# Altium PCB PCB_REV3.PcbDoc (part 1 of 2)
Units mm, origin at the board's own origin, x right, y up, seen from the top; angles counter-clockwise.
Board outline 75 x 115 mm, 2 copper layers (Top Layer, Bottom Layer); 203 components, 157 nets, 566 pads, 115 vias.
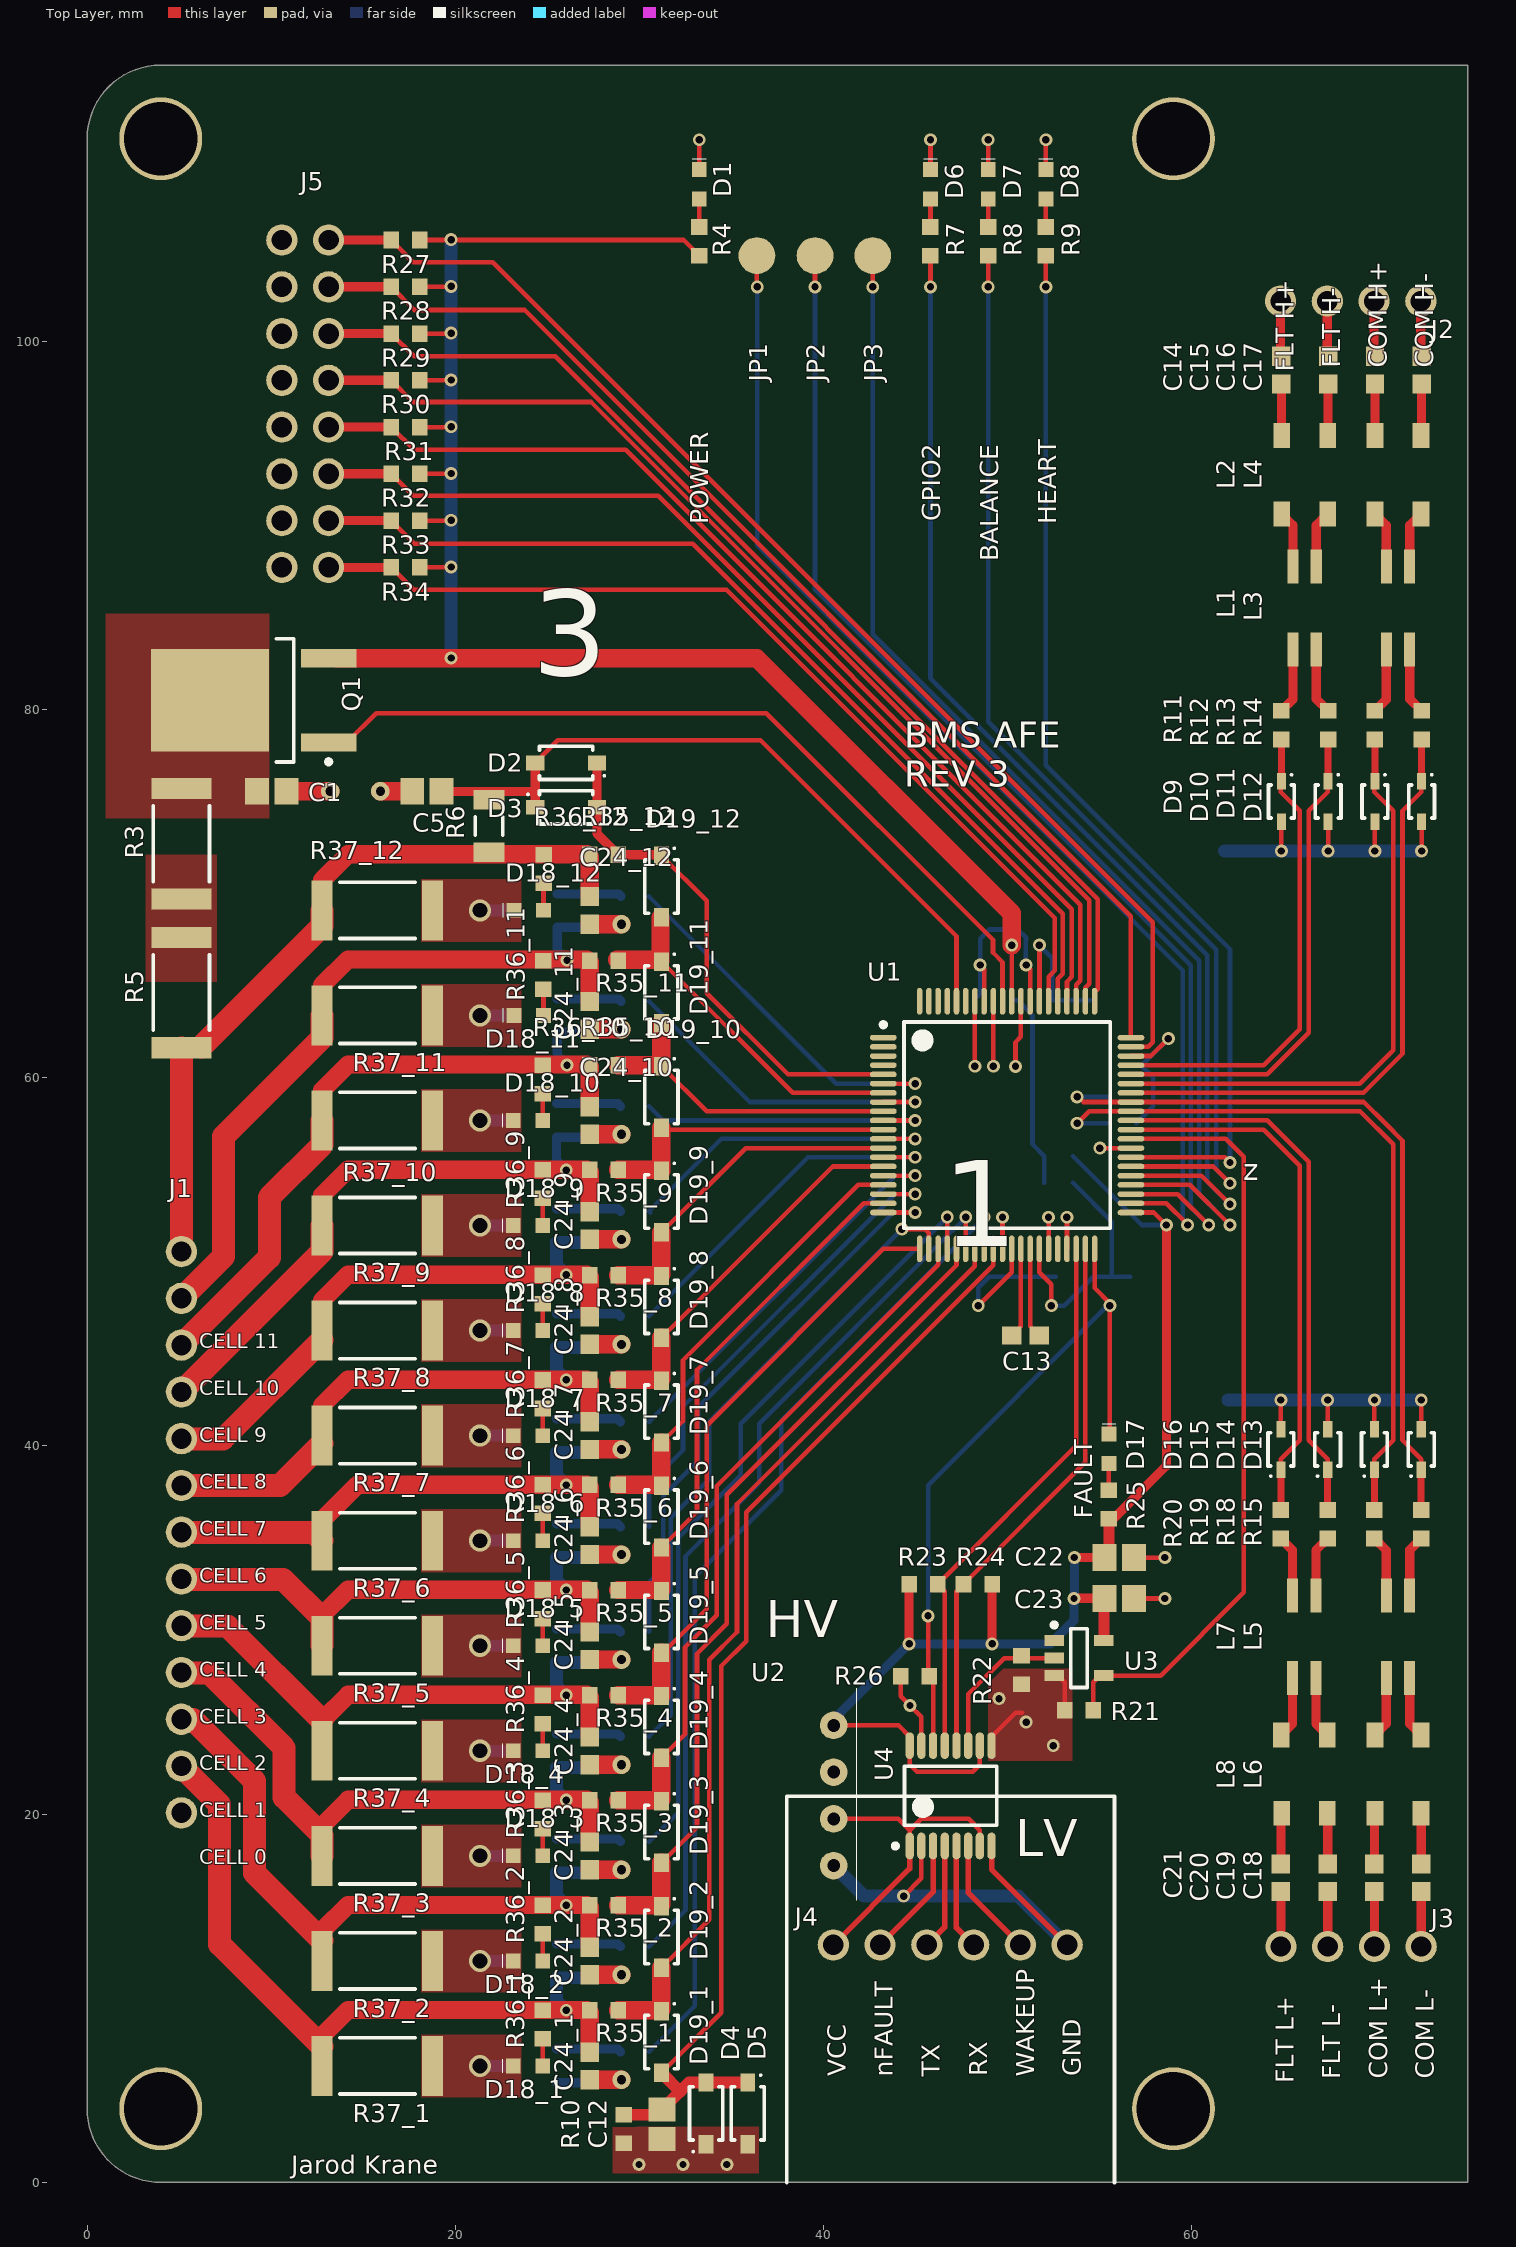
[diagram p0: Top Layer view]
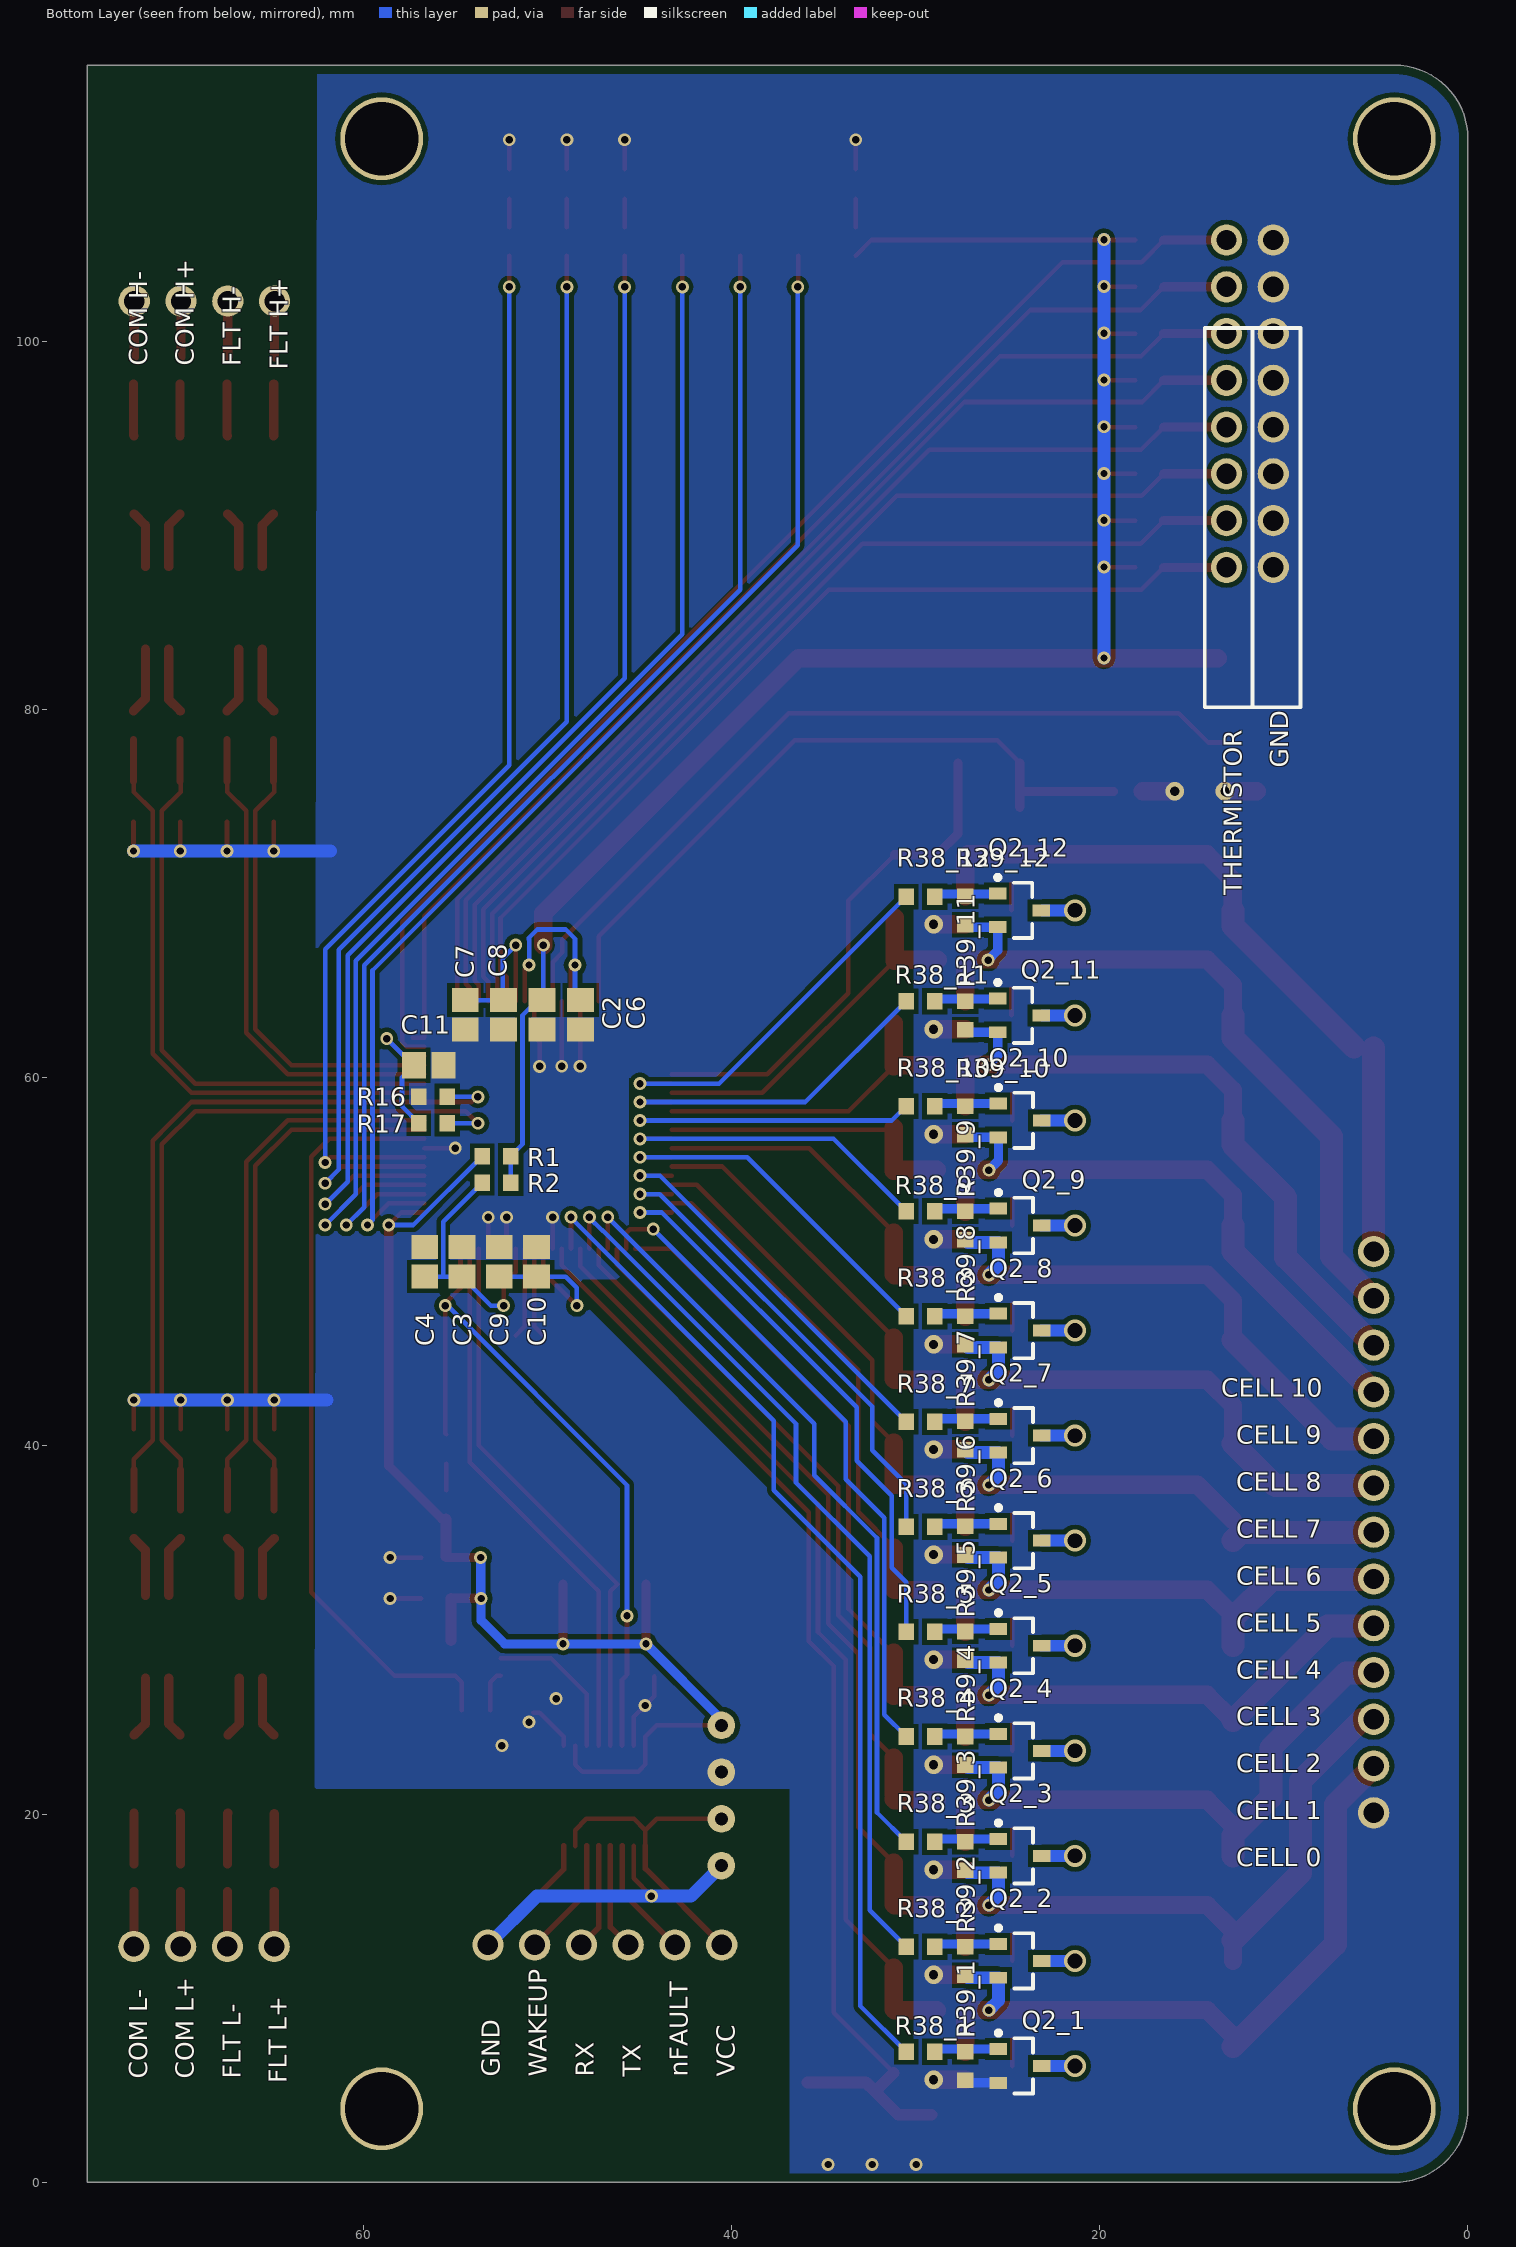
[diagram p1: Bottom Layer view, seen from below]
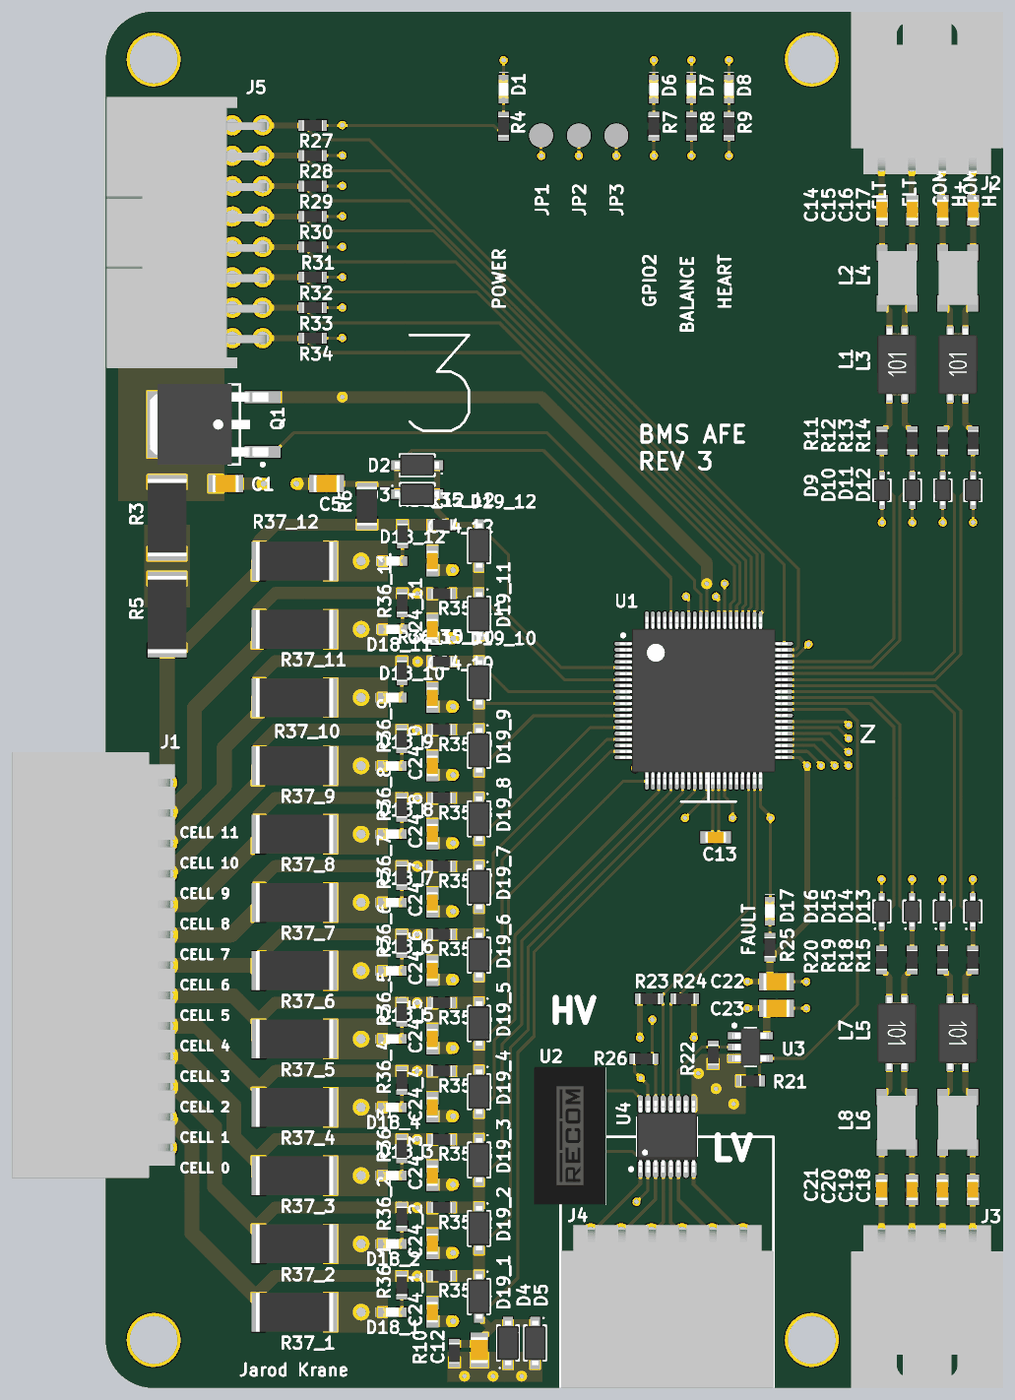
[diagram p3: 3D render of the assembled board from above, using the file's embedded part models]
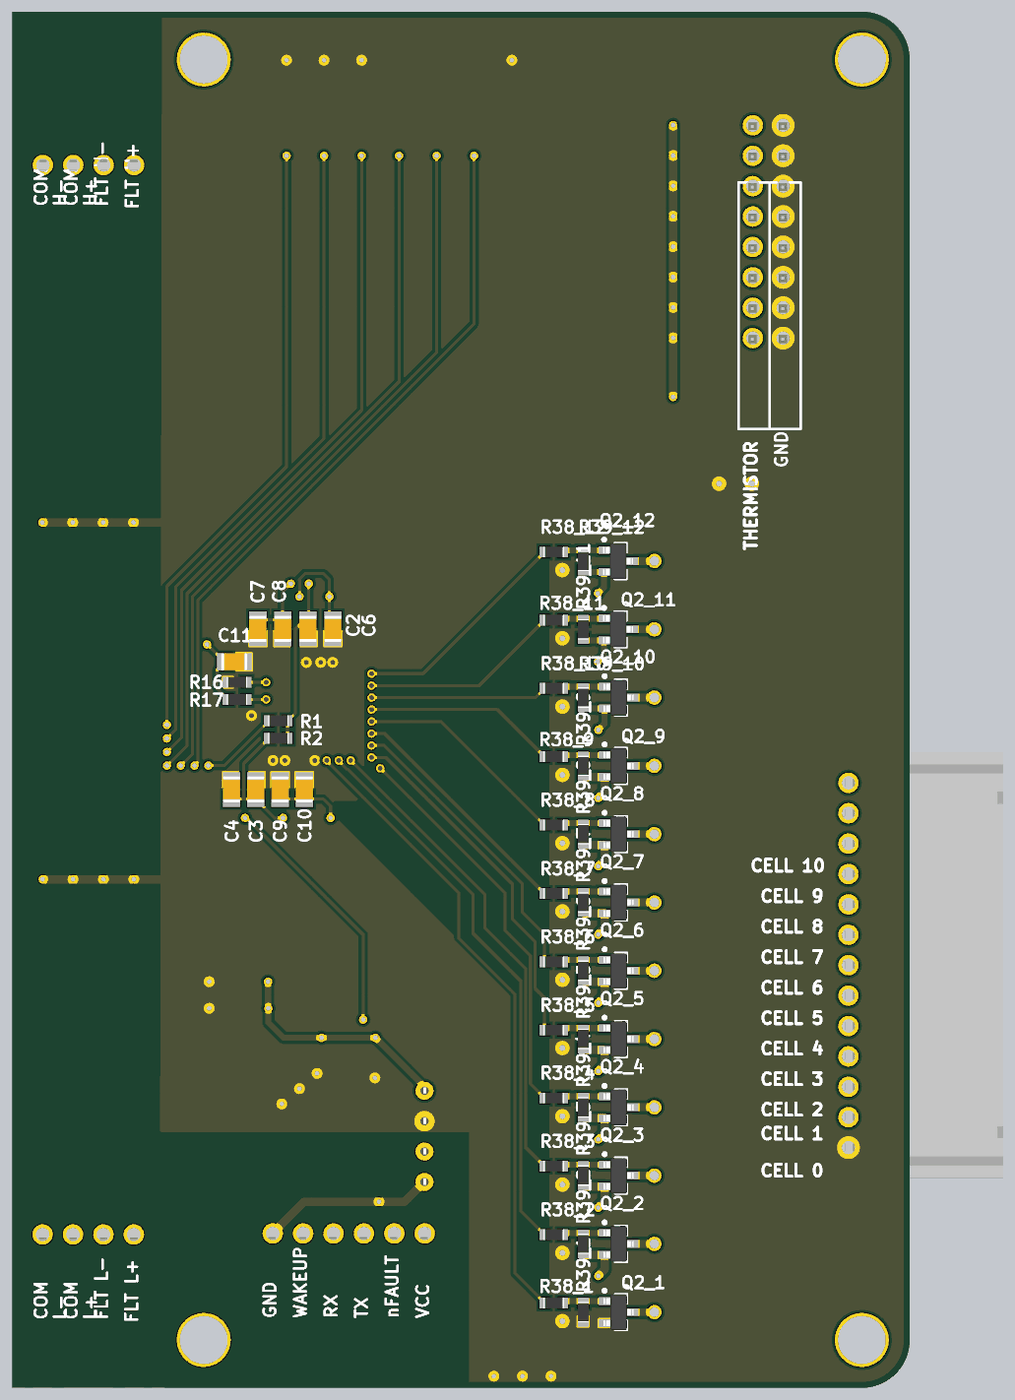
[diagram p4: 3D render of the assembled board from below, using the file's embedded part models]

## Layer stack, top to bottom
Top Solder: solder mask 0.0102, Solder Resist, Dk 3.5
Top Layer: signal copper 0.0356
Dielectric 1: dielectric 0.32, FR-4, Dk 4.8
Bottom Layer: signal copper 0.0356
Bottom Solder: solder mask 0.0102, Solder Resist, Dk 3.5

## Board outline
0,4 0,106 0,111 cw(c4,111) 4,115 75,115 75,0 4,0 cw(c4,4)

## Design rules (kind name [scope] priority, off if disabled: settings)
Clearance [All] p1: gap=0.254 ignorepadtopadclearanceinfootprint=FALSE except(0: Arc-Hole Track-Hole SMDPad-Hole THPad-Hole Via-Hole Fill-Hole Poly-Hole Region-Hole Text-Hole; 0.127: Arc-Arc Arc-Track Arc-SMDPad Track-Track Track-SMDPad SMDPad-SMDPad)
DiffPairsRouting [All] p1: maxlimit=0.254 minlimit=0.127 mostfreqgap=0.254 toplayer_minwidth=0.127 toplayer_maxwidth=0.381 toplayer_prefwidth=0.381 bottomlayer_minwidth=0.127 bottomlayer_maxwidth=0.381 bottomlayer_prefwidth=0.381 maxuncoupledlength=12.7
PlaneConnect [InNet('CELL0')] p1: planeconnectstyle=Direct reliefexpansion=0.508 reliefentries=4 reliefconductorwidth=0.254 reliefairgap=0.254
PolygonConnect [InNet('CELL0') or InNet('BLEED_1') or InNet('BLEED_2') or InNet('BLEED_3') or InNet('BLEED_4') or InNet('BLEED_5') or InNet('BLEED_6') or InNet('BLEED_7') or InNet('BLEED_8') or InNet('BLEED_9') or InNet('BLEED_10') or InNet('BLEED_11') or InNet('BLEED_12') or InNet('TOPCELL') or InNet('NetR3_1') or InNet('ISO_GND')] p1: connectstyle=Direct reliefconductorwidth=0.254 reliefentries=4 polygonreliefangle="90 Angle" airgapwidth=0.254
PolygonConnect PolygonConnect_1 [All] p2: connectstyle=Relief reliefconductorwidth=0.254 reliefentries=4 polygonreliefangle="90 Angle" airgapwidth=0.254
RoutingVias [All] p1: holewidth=0.711 width=1.27 viastyle="Through Hole" minholewidth=0.711 minwidth=1.27 maxholewidth=0.711 maxwidth=1.27
SolderMaskExpansion [All] p1: expansion=0.102
Width [All] p1: maxlimit=5 minlimit=0.1 preferedwidth=0.254 minimp=50.000000 maximp=50.000000 favimp=50.000000
28 further rules are at their usual default settings.

## Classes and differential pairs
component class 12: C24_12 D18_12 D19_12 Q2_12 R35_12 R36_12 R37_12 R38_12 R39_12
component class 11: C24_11 D18_11 D19_11 Q2_11 R35_11 R36_11 R37_11 R38_11 R39_11
component class U_BMS_TEMP: J5 R27 R28 R29 R30 R31 R32 R33 R34
component class U_BMS_SERIAL: C22 C23 D17 J4 R21 R22 R23 R24 R25 R26 U2 U3 U4
component class U_BMS_DAISYCHAIN: C14 C15 C16 C17 C18 C19 C20 C21 D9 D10 D11 D12 D13 D14 D15 D16 J2 J3 L1 L2 L3 L4 L5 L6 L7 L8 R11 R12 R13 R14 R15 R16 R17 R18 R19 R20
component class U_BMS_CPU: C1 C2 C3 C4 C5 C6 C7 C8 C9 C10 C11 C12 C13 D1 D2 D3 D4 D5 D6 D7 D8 JP1 JP2 JP3 Q1 R1 R2 R3 R4 R5 R6 R7 R8 R9 U1
channel class BMS_VSNS: 1 2 3 4 5 6 7 8 9 10
component class 10: C24_10 D18_10 D19_10 Q2_10 R35_10 R36_10 R37_10 R38_10 R39_10
component class 9: C24_9 D18_9 D19_9 Q2_9 R35_9 R36_9 R37_9 R38_9 R39_9
component class 8: C24_8 D18_8 D19_8 Q2_8 R35_8 R36_8 R37_8 R38_8 R39_8
component class 7: C24_7 D18_7 D19_7 Q2_7 R35_7 R36_7 R37_7 R38_7 R39_7
component class 6: C24_6 D18_6 D19_6 Q2_6 R35_6 R36_6 R37_6 R38_6 R39_6
component class 5: C24_5 D18_5 D19_5 Q2_5 R35_5 R36_5 R37_5 R38_5 R39_5
component class 4: C24_4 D18_4 D19_4 Q2_4 R35_4 R36_4 R37_4 R38_4 R39_4
component class 3: C24_3 D18_3 D19_3 Q2_3 R35_3 R36_3 R37_3 R38_3 R39_3
component class 2: C24_2 D18_2 D19_2 Q2_2 R35_2 R36_2 R37_2 R38_2 R39_2
component class 1: C24_1 D18_1 D19_1 Q2_1 R35_1 R36_1 R37_1 R38_1 R39_1
component class U_BMS_BALANCE: J1 R10
differential pair FLTL: +FLTL_P -FLTL_N
differential pair FLTH: +FLTH_P -FLTH_N
differential pair COML: +COML_P -COML_N
differential pair COMH: +COMH_P -COMH_N

## Components (designator, comment, footprint, x,y, rotation, side; value= is the part's Value field where it differs from the comment)
C1 "1uF" CAP-0805 10.02,75.556 r180 top
C2 "4.7uF" CAP-0805 50.29,63.425 r90 bottom
C3 "4.7uF" CAP-0805 54.64,50 r270 bottom
C4 "1uF" CAP-0805 56.665,50 r270 bottom
C5 "0.1uF" CAP-0805 18.458,75.556 r180 top
C6 "390pF" CAP-0805 48.2,63.425 r90 bottom
C7 "0.1uF" CAP-0805 54.47,63.425 r270 bottom
C8 "1uF" CAP-0805 52.38,63.425 r90 bottom
C9 "0.1uF" CAP-0805 52.615,50 r270 bottom
C10 "4.7uF" CAP-0805 50.59,50 r270 bottom
C11 "4.7uF" CAP-0805 56.445,60.675 r0 bottom
C12 "1uF" CAP-0805 31.22,3.15 r90 top
C13 "22nF" CAP-0603 50.97,46 r180 top
C14 "1nF" CAP-0603 64.866,98.43 r90 top
C15 "1nF" CAP-0603 67.401,98.43 r90 top
C16 "1nF" CAP-0603 69.949,98.43 r90 top
C17 "1nF" CAP-0603 72.481,98.43 r90 top
C18 "1nF" CAP-0603 72.46,16.547 r270 top
C19 "1nF" CAP-0603 69.92,16.547 r270 top
C20 "1nF" CAP-0603 67.38,16.547 r270 top
C21 "1nF" CAP-0603 64.84,16.547 r270 top
C22 "0.1uF" CAP-0805 56.05,33.939 r180 top
C23 "4.7uF" CAP-0805 56.05,31.714 r180 top
C24_1 "1uF" CAP-0603 27.295,6.325 r90 top (schematic designator C24)
C24_2 "1uF" CAP-0603 27.295,12.031 r90 top (schematic designator C24)
C24_3 "1uF" CAP-0603 27.295,17.737 r90 top (schematic designator C24)
C24_4 "1uF" CAP-0603 27.295,23.444 r90 top (schematic designator C24)
C24_5 "1uF" CAP-0603 27.295,29.15 r90 top (schematic designator C24)
C24_6 "1uF" CAP-0603 27.295,34.856 r90 top (schematic designator C24)
C24_7 "1uF" CAP-0603 27.295,40.562 r90 top (schematic designator C24)
C24_8 "1uF" CAP-0603 27.295,46.268 r90 top (schematic designator C24)
C24_9 "1uF" CAP-0603 27.295,51.974 r90 top (schematic designator C24)
C24_10 "1uF" CAP-0603 27.295,57.68 r90 top (schematic designator C24)
C24_11 "1uF" CAP-0603 27.295,63.388 r90 top (schematic designator C24)
C24_12 "1uF" CAP-0603 27.295,69.092 r90 top (schematic designator C24)
D1 "PWR" LED-0603 32.45,109.729 r270 top
D2 "100V" DIODE-SOD123 26.02,77.101 r180 top
D3 "100V" DIODE-SOD123 26.02,74.686 r0 top
D4 "100V" DIODE-SOD123 33.62,3.75 r90 top
D5 "100V" DIODE-SOD123 35.88,3.75 r270 top
D6 "GPIO2" LED-0603 45.005,109.729 r270 top
D7 "GPIO1" LED-0603 48.14,109.729 r270 top
D8 "GPIO0" LED-0603 51.275,109.729 r270 top
D9 "5V" DIODE-SOD323 64.866,75.004 r270 top
D10 "5V" DIODE-SOD323 67.404,75.004 r270 top
D11 "5V" DIODE-SOD323 69.943,75.004 r270 top
D12 "5V" DIODE-SOD323 72.481,75.004 r270 top
D13 "5V" DIODE-SOD323 72.46,39.813 r90 top
D14 "5V" DIODE-SOD323 69.92,39.813 r90 top
D15 "5V" DIODE-SOD323 67.38,39.813 r90 top
D16 "5V" DIODE-SOD323 64.84,39.813 r90 top
D17 "FAULT" LED-0603 54.7,41.045 r270 top
D18_1 "Red" LED-0603 22.75,5.525 r0 top (schematic designator D18)
D18_2 "Red" LED-0603 22.75,11.231 r0 top (schematic designator D18)
D18_3 "Red" LED-0603 22.75,16.937 r0 top (schematic designator D18)
D18_4 "Red" LED-0603 22.75,22.644 r0 top (schematic designator D18)
D18_5 "Red" LED-0603 22.75,28.35 r0 top (schematic designator D18)
D18_6 "Red" LED-0603 22.75,34.056 r0 top (schematic designator D18)
D18_7 "Red" LED-0603 22.75,39.762 r0 top (schematic designator D18)
D18_8 "Red" LED-0603 22.75,45.468 r0 top (schematic designator D18)
D18_9 "Red" LED-0603 22.75,51.174 r0 top (schematic designator D18)
D18_10 "Red" LED-0603 22.75,56.88 r0 top (schematic designator D18)
D18_11 "Red" LED-0603 22.789,62.586 r0 top (schematic designator D18)
D18_12 "Red" LED-0603 22.789,68.292 r0 top (schematic designator D18)
D19_1 "5.1V" DIODE-SOD123 31.195,7.625 r270 top (schematic designator D19)
D19_2 "5.1V" DIODE-SOD123 31.195,13.331 r270 top (schematic designator D19)
D19_3 "5.1V" DIODE-SOD123 31.195,19.037 r270 top (schematic designator D19)
D19_4 "5.1V" DIODE-SOD123 31.195,24.744 r270 top (schematic designator D19)
D19_5 "5.1V" DIODE-SOD123 31.195,30.45 r270 top (schematic designator D19)
D19_6 "5.1V" DIODE-SOD123 31.195,36.161 r270 top (schematic designator D19)
D19_7 "5.1V" DIODE-SOD123 31.195,41.862 r270 top (schematic designator D19)
D19_8 "5.1V" DIODE-SOD123 31.195,47.557 r270 top (schematic designator D19)
D19_9 "5.1V" DIODE-SOD123 31.195,53.273 r270 top (schematic designator D19)
D19_10 "5.1V" DIODE-SOD123 31.195,58.955 r270 top (schematic designator D19)
D19_11 "5.1V" DIODE-SOD123 31.195,64.636 r270 top (schematic designator D19)
D19_12 "5.1V" DIODE-SOD123 31.195,70.386 r270 top (schematic designator D19)
J1 "WM4911-ND" 13PIN 5.12,50.557 r270 top
J2 "WM4902-ND" 4PIN 72.441,102.184 r180 top
J3 "WM4902-ND" 4PIN 64.84,12.813 r0 top
J4 "WM4928-ND" 6PIN 40.53,12.9 r0 top
J5 "900-0901303116-ND" 2X8PIN 10.575,105.5 r270 top
JP1 "Testpoint2" TP2 36.38,104.654 r270 top
JP2 "Testpoint2" TP2 39.535,104.654 r270 top
JP3 "Testpoint2" TP2 42.67,104.654 r270 top